# KiCad board rev6.0_flat_powerstage.kicad_pcb (continued)
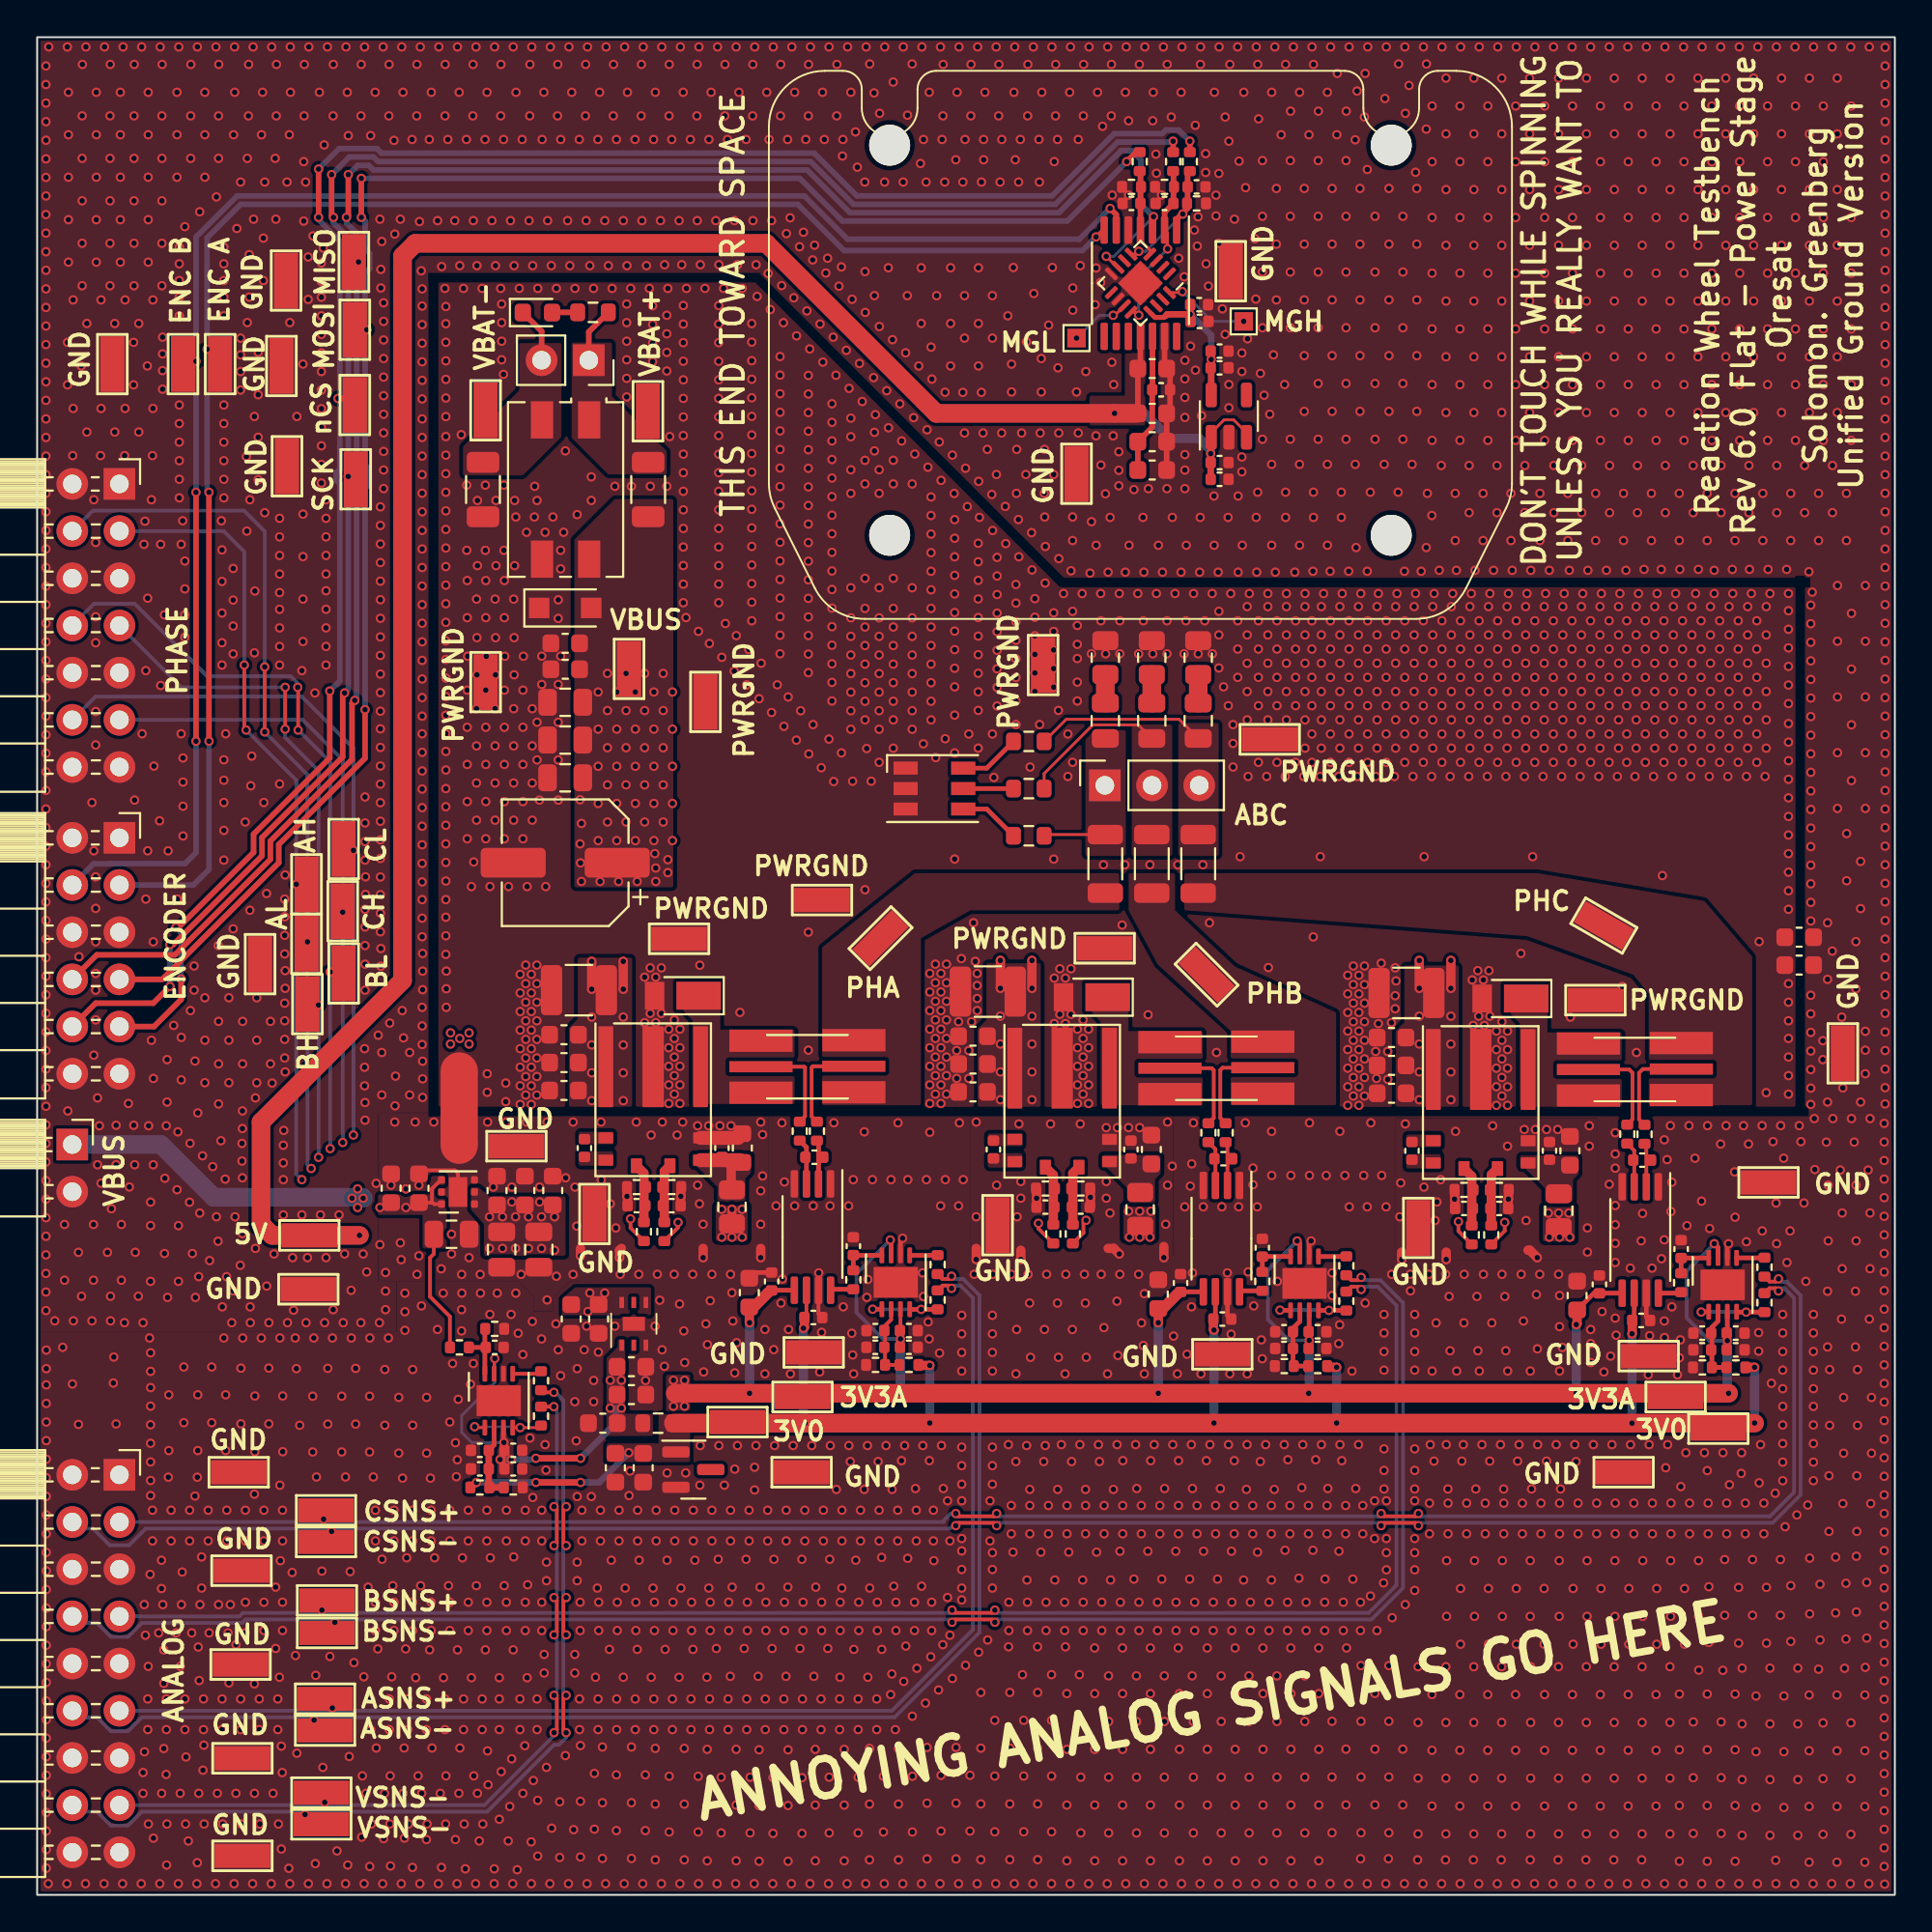
[diagram p0: board, top side]
## Routing (per net, layer and track width the routed paths; a pad name or vN(x,y) marks a point on that pad's centre or on a via; arc(x,y) is an arc through that point) (continued)
Net-(C2-Pad1): length 3.3
  Top w0.25: C2.1 R6.2 ; R55.1 24.1,30.45 U10.8
Net-(C4-Pad1): length 4.1
  Top w0.25: U10.2 24.6,24.22 C6.1
  Top w0.35: C6.1 24.31,21.96 R16.1 R17.2
Net-(C10-Pad1): length 7.5
  Top w0.3: U1.12 60.04,81.03 ; C10.1 C11.1 60.03,79 60.03,81.02
Net-(C17-Pad1): length 3.2
  Top w0.5: Q1.5 33.76,38.95 R11.2
Net-(C20-Pad1): length 3.2
  Top w0.5: Q1.4 32.66,38.85 R10.2
Net-(C23-Pad1): length 4.2
  Top w0.5: C25.2 37.36,39.22 37.36,37.89
  Top w0.75: Q1.6 37.84,39.55
Net-(C28-Pad1): length 3.9
  Top w0.2: U3.2 45.97,30.97 45.6,30.6 C31.1 45.64,30.33 R20.2 R19.1
Net-(C35-Pad1): length 2.5
  Top w0.25: U2.3 41.41,40.24 R32.2
Net-(C35-Pad2): length 2.3
  Top w0.25: U2.2 42.06,40.53
Net-(C41-Pad1): length 3.2
  Top w0.5: Q2.5 55.75,38.84 R25.2
Net-(C43-Pad1): length 3.3
  Top w0.5: R24.2 54.7,38.75 Q2.4
Net-(C49-Pad1): length 3.9
  Top w0.25: R29.1 R30.2 67.6,28.5 C51.1 67.6,30.5 67.97,30.87 U6.2
Net-(C66-Pad1): length 3.2
  Top w0.5: Q3.5 78.28,38.76 R39.2
Net-(C67-Pad1): length 3.2
  Top w0.5: Q3.4 77.22,38.68 R38.2
Net-(C69-Pad1): length 3.9
  Top w0.25: U8.2 90.48,30.88 90.15,30.55 90.15,28.39 R40.2 R31.1
Net-(C80-Pad1): length 2.5
  Top w0.2: R54.2 63.42,40.14 U5.3
Net-(C80-Pad2): length 2.4
  Top w0.2: R65.2 64.08,40.41 U5.2
Net-(C87-Pad1): length 2.5
  Top w0.2: U9.3 85.97,40.06 R68.2
Net-(C87-Pad2): length 2.4
  Top w0.2: U9.2 86.62,40.33 R70.2
Net-(C89-Pad2): length 1.5
  Top w1: R71.1 C89.2
Net-(C90-Pad2): length 1.5
  Top w1: R72.1 C90.2
Net-(C91-Pad2): length 1.5
  Top w1: R73.1 C91.2
Net-(C100-Pad1): length 9.3
  Top w0.152: U13.13 60.12,84.96 60.55,84.96
  Top w0.25: U13.13 60.18,84.91 60.66,84.91 60.75,85
  Top w0.35: U7.5 v1(63.2,82.65) 63.2,83.07 C99.1 ; v1(62.07,85.08) 62.07,84.72 C102.1 ; v1(62.07,85.08) C101.1 ; v1(62.07,85.08) 60.83,85.08 60.75,85
  Bottom w0.35: v1(62.07,85.08) 63.2,83.95 v1(63.2,82.65)
Net-(D2-Pad4): length 3.3
  Top w0.25: D2.4 51.11,58.45 R64.2
Net-(D2-Pad5): length 2.7
  Top w0.25: D2.5 R63.2
Net-(D2-Pad6): length 3.3
  Top w0.25: R62.2 51.11,60.65 D2.6
Net-(D3-Pad1): length 3
  Top w0.3: D3.1 27.16,84.16 J6.2
Net-(D3-Pad2): length 1.4
  Top w0.3: R3.2 27.73,85.19 D3.2
Net-(FL1-Pad1): length 3
  Top w0.3: R3.1 29.69,84.14 J6.1
Net-(R21-Pad2): length 1.2
  Top w0.25: U2.8 42.76,32.6 R21.2
Net-(R22-Pad1): length 1.5
  Top w0.25: U3.5 48.46,34.42 R22.1
Net-(R23-Pad1): length 4.6
  Top w0.25: R23.1 v1(47.59,31.51) 46.98,31.51 U3.4 ; v1(44.97,31.52) 44.98,31.52 U3.1
  Bottom w0.2: v1(44.97,31.52) 44.99,31.51 v1(47.59,31.51)
Net-(R35-Pad1): length 1.5
  Top w0.25: U6.5 70.46,34.36 R35.1
Net-(R36-Pad1): length 4.7
  Top w0.25: U6.1 66.91,31.46 v1(66.9,31.48) ; U6.4 v1(69.54,31.46) 70.46,31.46 R36.1
  Bottom w0.2: v1(69.54,31.46) 69.52,31.48 v1(66.9,31.48)
Net-(R50-Pad1): length 1.5
  Top w0.25: R50.1 92.97,34.29 U8.5
Net-(R51-Pad1): length 4.3
  Top w0.25: U8.4 91.5,31.37 v1(91.99,31.37) R51.1 ; U8.1 89.59,31.39 v1(89.57,31.38)
  Bottom w0.2: v1(91.99,31.37) 91.99,31.38 v1(89.57,31.38)
Net-(R53-Pad2): length 1.2
  Top w0.25: R53.2 64.78,32.51 U5.8
Net-(R57-Pad1): length 1.6
  Top w0.2: U10.5 26.99,28.05 R57.1
Net-(R58-Pad1): length 4.6
  Top w0.152: U10.4 v1(26,25.15) 27.01,25.15 R58.1 ; v1(23.55,25.2) 23.6,25.15 U10.1
  Bottom w0.152: v1(23.55,25.2) 25.95,25.2 v1(26,25.15)
Net-(R67-Pad2): length 1.2
  Top w0.25: U9.8 88.44,32.39 R67.2

## Copper pours and planes (outline as drawn; the poured copper is in the pictures)
+3V0 on Top: 35.15,23.3 30.65,23.3 30.65,24.3 33.45,24.3 33.45,25.9 35.15,25.9
+3V3A on Top: 35.15,26 33.85,26 33.85,28 35.15,28
+3V3A on Top: 25.65,22.4 24.75,22.4 24.75,24.9 25.65,24.9
+3V3A on Top: 31.65,25.9 33.15,25.9 33.15,24.7 30.65,24.7 30.65,28.9 31.25,29.5 31.25,29.9 31.65,29.9
+3V3A on Bottom: 35.15,26 30.45,26 30.45,28 35.15,28
+5V on Top: 33.05,31.2 28.25,31.2 28.25,32.1 28.95,32.7 33.05,32.7
+5V on Top: 60.2,35.25 58.47,35.25 58.47,37.33 60.2,37.33
+5V on Top: 59.65,79.1 56.65,79.1 56.65,80.7 58.55,80.7 58.55,83 59.25,83 59.25,84.6 59.65,84.6
+5V on Top: 28.45,34.4 24.05,34.4 24.05,36.1 23.25,37 23.25,38.1 23.75,38.1 24.35,37.6 28.45,37.6
+5V on Top: 82.78,35.17 81.05,35.17 81.05,37.25 82.78,37.25
+5V on Top: 38.25,35.2 36.53,35.2 36.53,37.27 38.25,37.27
+5V on In2.Cu: 84.35,33.95 24.05,33.95 24.05,37.6 29.85,37.6 31.65,35.9 34.95,35.9 36.55,37.6 52.65,37.6 53.45,35.9 56.85,35.9 57.75,37.6 74.45,37.6 76.15,35.8 79.65,35.8 80.55,37.6 84.35,37.6
+5V on In2.Cu: 30.75,31.2 29.45,31.2 29.45,35 30.75,35
GND on Top: 38.6,40.35 35.3,40.35 35.3,41.6 38.6,41.6
GND on Top: 27.75,32.1 27.75,31.4 26.75,31.4 26.75,32.2 25.85,33.1 28.75,33.1
GND on Top: 60.6,40.25 57.3,40.25 57.3,41.5 60.6,41.5
GND on Top: 83.1,40.2 79.8,40.2 79.8,41.45 83.1,41.45
GND on Top, Bottom, In1.Cu, In2.Cu: 108.85,-8.6 -3.45,-8.6 -3.45,106 108.85,106
GND on Top, Bottom, In1.Cu, In2.Cu: 100.45,-1.9 -0.55,-1.9 -0.55,30.3 19.35,30.3 19.35,42.1 100.45,42.1
GND on Top, In1.Cu: 39.35,34.4 28.45,34.4 28.45,42.05 39.35,42.05
GND on Top, In1.Cu: 61.15,34.4 50.25,34.4 50.25,42.05 61.15,42.05
GND on Top, In1.Cu: 84,34.15 73.1,34.15 73.1,41.8 84,41.8
GND on Top, In1.Cu, In2.Cu: 29.25,33 18.35,33 18.35,42.05 29.25,42.05
GND on Bottom: 84.35,34 18.35,34 18.35,42.15 84.35,42.15
GND on In1.Cu: 4.94,1.22 1.38,1.22 1.38,30.84 4.94,30.84
GND on In2.Cu: 84.45,37.2 18.35,37.2 18.35,42 84.45,42
VBUS on Top: 22.05,34.8 20.75,34.8 20.75,36.6 18.35,36.6 18.35,37.7 21.15,37.7 21.15,38.7 22.05,38.7
VBUS on Top: 54.03,42.3 50.62,42.3 50.62,46.62 51.1,47.1 51.1,50.15 54.03,50.15
VBUS on Top: 32.03,42.35 28.62,42.35 28.62,46.67 29.1,47.15 29.1,50.45 32.03,50.45
VBUS on Top: 76.53,42.27 73.12,42.27 73.12,46.5 73.6,46.98 73.6,50.02 76.53,50.02
VBUS on Top: 34.25,54.23 28.92,54.23 28.92,72.96 31.09,75.14 34.25,75.14
VBUS on In2.Cu: 28.53,53.95 28.55,68.85 34.03,68.92 42.52,59.46 94.76,59.52 94.75,42.35 21.6,42.35 21.6,53.92
/PHA on Top: 58.25,53 50.25,53 47.58,51.5 47.58,42.5 42.25,42.5 42.25,51 47.25,55 58.25,55
/PHA_FLT on Top: 58.6,55.92 56.42,55.92 56.42,63.08 58.6,63.08
/PHB on Top: 61.25,53 64.47,49.98 69.92,47.5 69.92,42.5 64.25,42.5 64.25,46.5 60.33,50.08 58.75,53 58.75,55 61.25,55
/PHB_FLT on Top: 61.1,55.92 58.92,55.92 58.92,63.08 61.1,63.08
/PHC on Top: 89.75,53.5 92.32,50.5 92.32,42.5 86.75,42.5 86.75,48.5 85.92,49.52 80.22,51.6 61.75,53 61.75,55 80.75,55
/PHC_FLT on Top: 63.6,55.92 61.42,55.92 61.42,63.08 63.6,63.08
PWRGND on Top: 55.1,70.55 94.75,70.55 94.75,42.35 21.6,42.35 21.6,86.85 38.8,86.85
PWRGND on Top: 50.7,42.35 47.8,42.35 47.8,50.35 50.7,50.35
PWRGND on Top: 28.65,42.3 25.75,42.3 25.75,50.5 28.65,50.5
PWRGND on Top: 78.53,47.67 79.5,46.7 79.5,42.25 76.85,42.25 76.85,49.98 78.53,49.98
PWRGND on Top: 73.22,42.25 70.33,42.25 70.33,50.05 73.22,50.05
PWRGND on Top: 56,47.75 56.97,46.77 56.97,42.33 54.33,42.33 54.33,50.15 56,50.15
PWRGND on Top: 33.95,47.77 34.92,46.8 34.92,42.35 32.28,42.35 32.28,50.48 33.95,50.48
PWRGND on Bottom, In1.Cu, In2.Cu: 55.1,70.55 94.75,70.55 94.75,42.35 21.6,42.35 21.6,86.85 38.8,86.85
Net-(C23-Pad1) on Top: 38.42,38.88 38.12,38.58 38.12,37.3 36.75,37.3 36.62,37.42 36.62,38.1 35.5,39.23 35.28,39.23 35.28,39.88 38.42,39.88
Net-(C24-Pad1) on Top: 31.03,40.4 29.15,40.4 29.15,41.08 31.03,41.08
Net-(C24-Pad2) on Top: 31,39.25 29.15,39.25 29.15,40.02 31,40.02
Net-(C45-Pad1) on Top: 60.47,38.83 60.17,38.52 60.17,37.25 58.8,37.25 58.67,37.38 58.67,38.05 57.55,39.17 57.33,39.17 57.33,39.83 60.47,39.83
Net-(C47-Pad1) on Top: 53.05,40.3 51.17,40.3 51.17,40.98 53.05,40.98
Net-(C47-Pad2) on Top: 53.03,39.15 51.17,39.15 51.17,39.92 53.03,39.92
Net-(C70-Pad1) on Top: 82.97,38.8 82.67,38.5 82.67,37.23 81.3,37.23 81.17,37.35 81.17,38.02 80.05,39.15 79.83,39.15 79.83,39.8 82.97,39.8
Net-(C72-Pad1) on Top: 75.58,40.25 73.7,40.25 73.7,40.92 75.58,40.92
Net-(C72-Pad2) on Top: 75.55,39.1 73.7,39.1 73.7,39.88 75.55,39.88
Net-(D3-Pad1) on Top: 28.22,78.48 26.14,76.41 22.92,76.41 22.92,77.96 25.94,80.98 25.94,83.53 28.22,83.53
Net-(D4-Pad1) on Top: 36.78,49.08 36.78,46.58 40.78,46.58 40.78,42.58 35.28,42.58 35.28,47.08 34.8,47.58 34.8,49.08
Net-(D5-Pad1) on Top: 58.75,49 58.75,46.5 62.75,46.5 62.75,42.5 57.25,42.5 57.25,47 56.78,47.5 56.78,49
Net-(D6-Pad1) on Top: 81.3,48.92 81.3,46.42 85.3,46.42 85.3,42.42 79.8,42.42 79.8,46.92 79.33,47.42 79.33,48.92
Net-(FL1-Pad1) on Top: 30.94,80.66 33.89,77.71 33.89,76.46 30.75,76.46 28.77,78.44 28.77,83.56 30.94,83.56

## Text on the board
B.Silkscreen: Astra don't blow this one up! | Reaction Wheel Testbench / Rev 6.0 Flat - Power Stage / Oresat / Solomon. Greenberg / Unified Ground Version
User.Eco1: SOLIDWORKS Educational Product. | For Instructional Use Only.
F.Silkscreen: GND | 5V | VSNS- | ASNS- | ASNS+ | BSNS- | CSNS- | BSNS+ | CSNS+ | VBUS | PWRGND | 3V0 | PHA | 3V3A | MGL | ABC | PHB | MGH | PHC | ANALOG | ENCODER | PHASE | ENC B | ENC A | AL | AH | BH | nCS | SCK | MOSI | MISO | CH | CL | BL | VBAT- | VBAT+ | THIS END TOWARD SPACE | DON'T TOUCH WHILE SPINNING / UNLESS YOU REALLY WANT TO | Reaction Wheel Testbench / Rev 6.0 Flat - Power Stage / Oresat / Solomon. Greenberg / Unified Ground Version | ANNOYING ANALOG SIGNALS GO HERE
